# Altium PCB 58.13.0093_400_Rev00.PcbDoc (part 2 of 3) (continued)
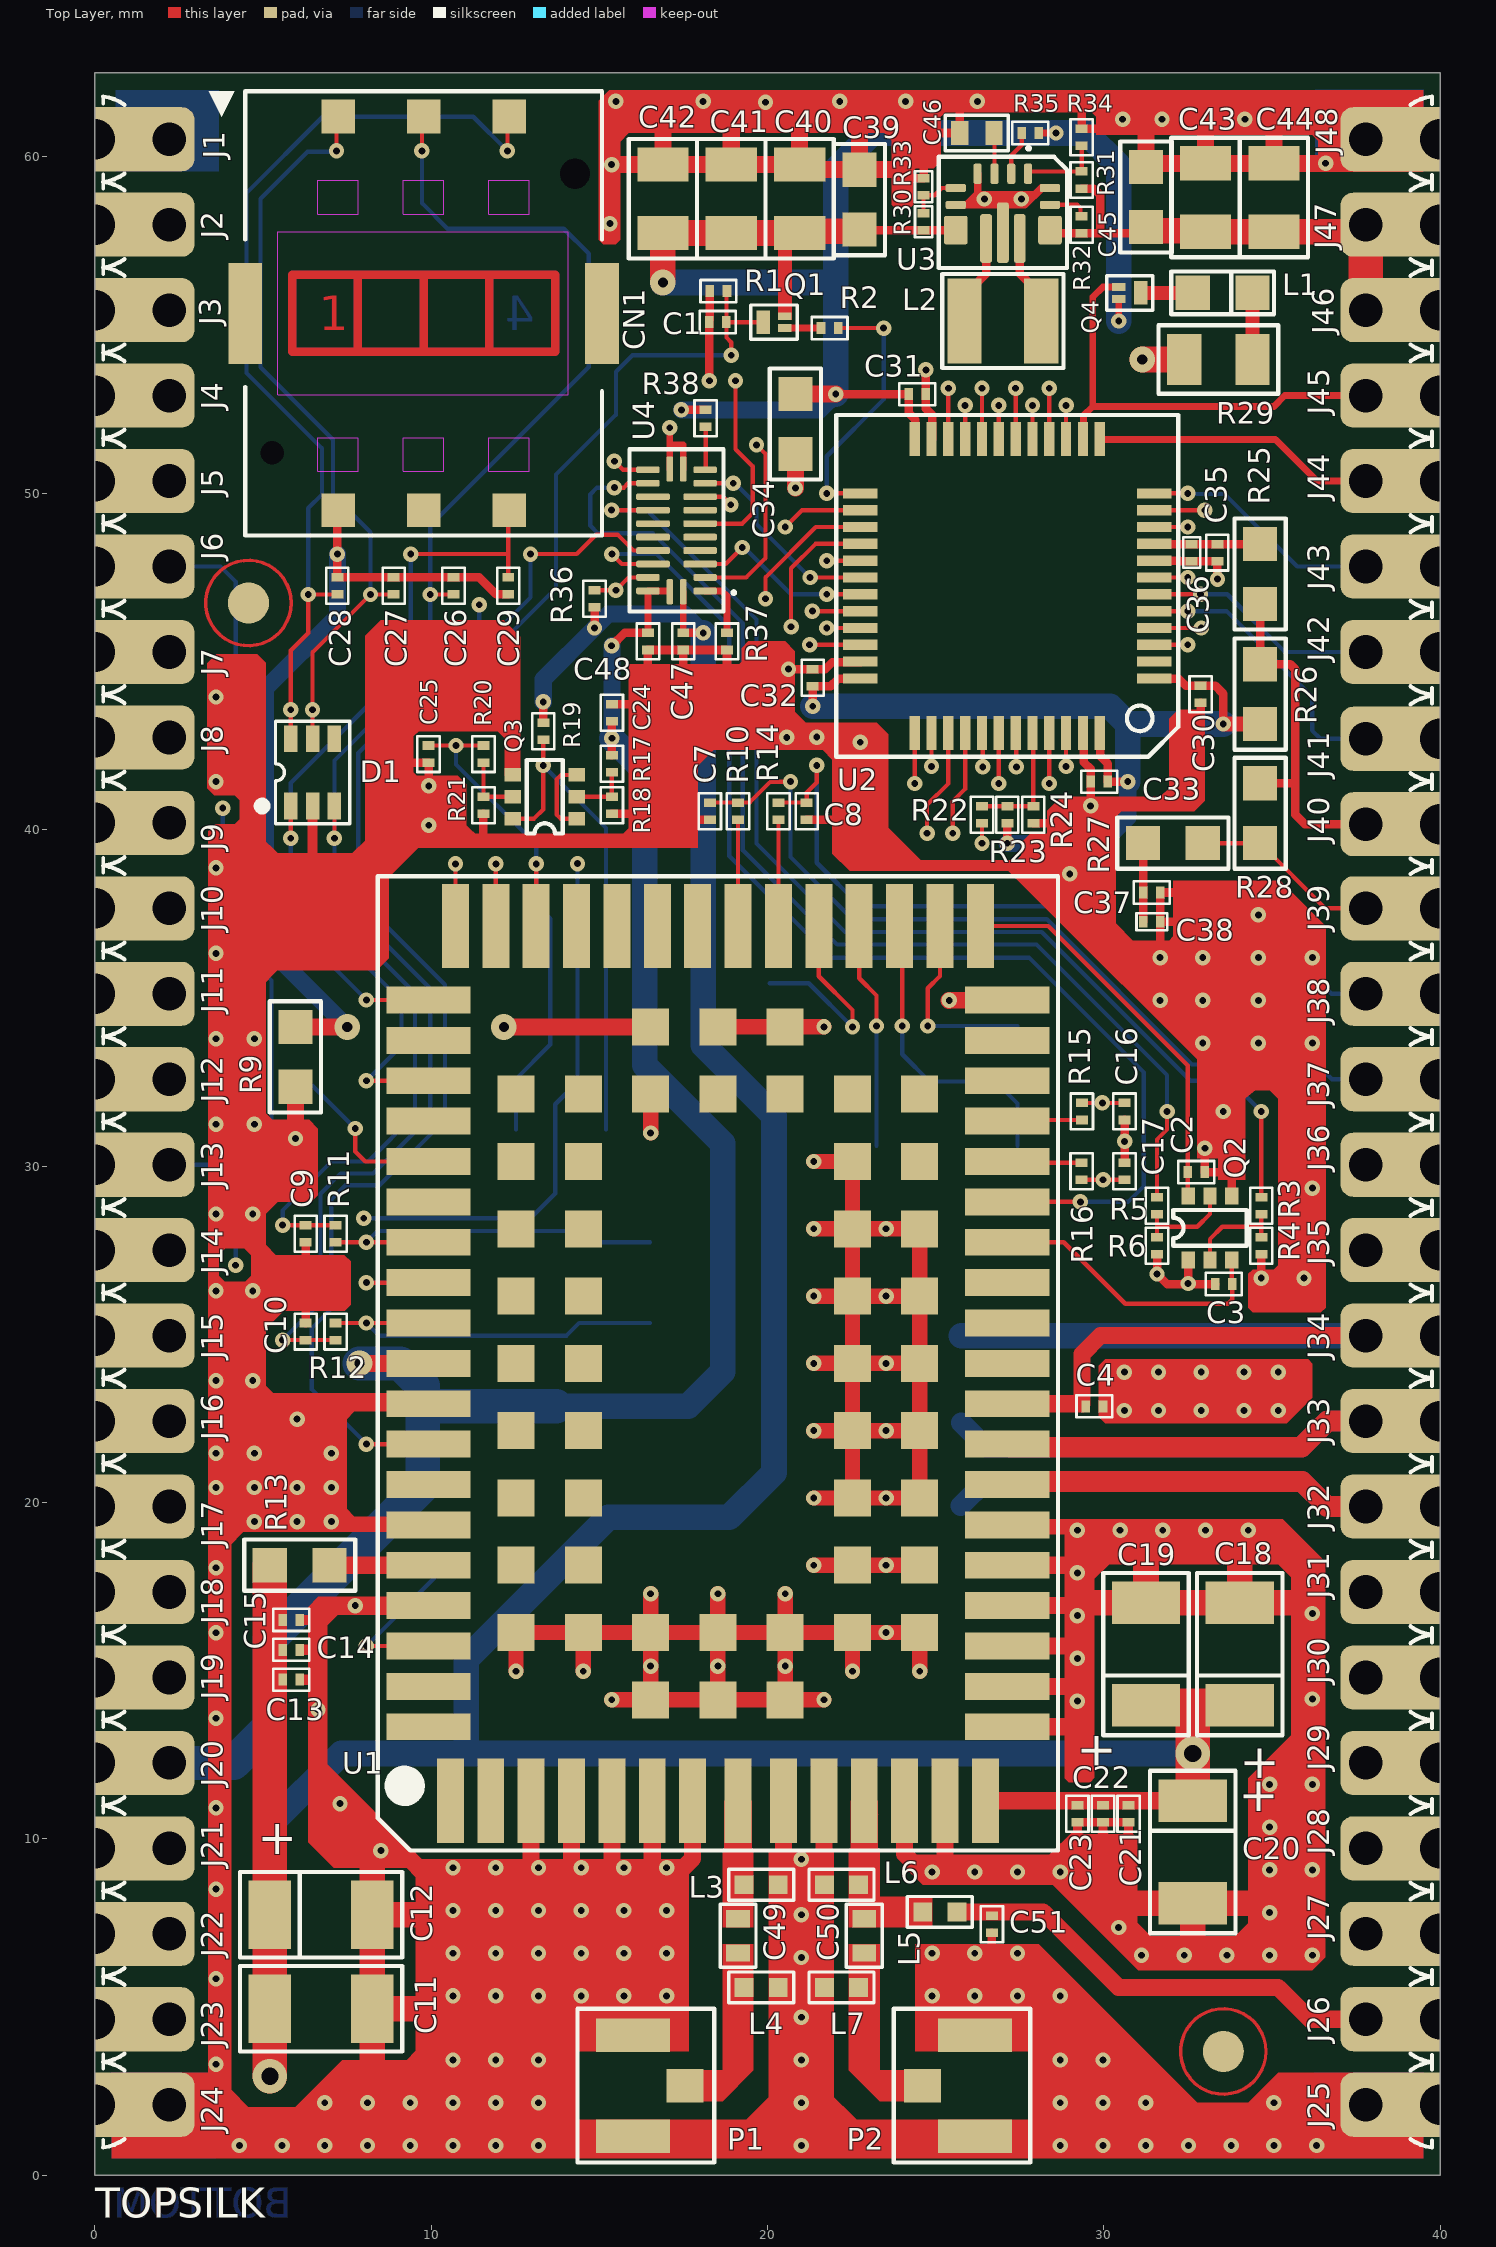
[diagram p0: Top Layer view]
## Nets (pads, with @x,y where several pads share a name; then routed paths per layer and width w, separated by ;. In a path a pad name is that pad's centre, name@x,y a point inside that pad or via, vN(x,y) a via of type N, cw(c..) or ccw(c..) an arc to the next point about the centre after c; other vN are vias at no path point) (continued)
  Top Layer w0.127: U1.29@21.525,37.135 21.525,35.641 22.525,34.641 v1(22.525,34.135)
  Bottom Layer w0.127: TP_TXD_1.1@20.066,35.433 21.227,35.433 v1(22.525,34.135)
nOE_LVL_CONV: R36.2 U2.3 U4.21 | length 21.5
  Top Layer w0.127: R36.2@14.859,47.117 v1(15.494,47.117) 15.872,47.495 U4.21@16.446,47.495 ; U2.3@31.494,45.494 v1(32.49,45.494)
  Mid-Layer 2 w0.127: v1(15.494,47.117) 19.431,47.117 20.808,48.494 27.79,48.494 30.79,45.494 v1(32.49,45.494)
ON: C1.2 Q1.3 R1.2 TP_IGT.1 U1.8 | length 46.8
  Top Layer w0.127: v1(8.077,21.735) U1.8@9.925,21.735 ; R1.2@18.796,56.007 18.779,55.99 C1.2@18.779,55.084 ; v1(18.923,54.102) 18.923,54.483 18.779,54.627 C1.2@18.779,55.084 ; Q1.3@19.868,55.085 C1.2@18.779,55.084
  Bottom Layer w0.127: v1(8.077,21.735) 6.826,22.987 6.457,23.356 6.457,25.183 7.036,25.761 7.036,29.009 7.454,29.427 8.47,29.427 10.414,31.371 10.414,35.387 8.691,37.11 8.691,42.153 13.716,47.178 13.716,50.555 TP_IGT.1@15.469,52.307 ; TP_IGT.1@15.494,52.324 15.494,53.61 15.986,54.102 v1(18.923,54.102)
ON_SIGNAL: R2.1 U2.25 | length 8
  Top Layer w0.127: v1(21.76,49.994) U2.25@22.756,49.994 ; R2.1@22.098,54.907 v1(23.452,54.907)
  Bottom Layer w0.127: v1(21.76,49.994) 21.76,51.097 23.452,52.789 v1(23.452,54.907)
POWER_IND: Q3.6 R19.1 TP_PWR_IND.1 U2.19 | length 39.8
  Top Layer w0.127: Q3.6@12.429,40.326 13.06,40.326 13.335,40.601 v1(13.335,41.91) R19.1@13.335,42.672 ; U2.19@26.875,51.613 v1(26.875,52.609)
  Mid-Layer 2 w0.127: v1(13.335,41.91) 12.7,42.545 12.7,46.99 14.704,48.994 16.128,48.994 21.109,53.975 22.625,53.975 24.911,51.689 26.543,51.689 26.875,52.021 v1(26.875,52.609)
  Bottom Layer w0.127: v1(13.335,41.91) 15.197,40.048 TP_PWR_IND.1@15.197,31.09
RF_OUT: C49.2 L3.2 U1.59
RXD0: R12.1 TP_RXD0.1 U1.11 | length 11.5
  Top Layer w0.127: R12.1@7.163,25.335 v1(8.077,25.335) U1.11@9.925,25.335
  Bottom Layer w0.127: v1(8.077,25.335) 8.452,24.96 14.027,24.96 14.402,25.335 TP_RXD0.1@16.51,25.335
RXD0_1V8: C10.2 R12.2 U4.19 | length 34.1
  Top Layer w0.127: v1(5.588,24.827) C10.2@6.274,24.827 R12.2@7.163,24.827 ; v1(12.954,48.189) 14.331,48.189 14.91,48.768 15.545,48.768 16.018,48.295 U4.19@16.596,48.295
  Bottom Layer w0.127: v1(5.588,24.827) 6.712,25.951 6.712,29.179 7.312,29.779 8.283,29.779 9.977,31.473 9.977,35.278 8.266,36.989 8.266,42.214 12.954,46.903 v1(12.954,48.189)
RXD1_3V3: U2.31 U4.3 | length 5.5
  Top Layer w0.127: U4.3@17.996,47.895 18.758,47.895 v1(19.25,48.387) ; v1(21.76,46.994) U2.31@22.756,46.994
  Bottom Layer w0.127: v1(19.25,48.387) 19.309,48.387 20.702,46.994 v1(21.76,46.994)
SDA_Sensor: J7.1 U2.22 | length 32.1
  Top Layer w0.127: U2.22@25.375,51.613 v1(25.375,53.117)
  Mid-Layer 2 w0.127: J7.1@2.22,45.28 4.671,45.28 5.334,45.943 5.334,48.26 9.212,52.138 15.555,52.138 18.916,55.499 24.511,55.499 25.397,54.613 v1@25.397,53.102
SLC_Sensor: J8.1 U2.21 | length 32.6
  Top Layer w0.127: U2.21@25.875,51.613 v1(25.875,52.609)
  Mid-Layer 2 w0.127: J8.1@2.22,42.74 3.925,42.74 5.715,44.53 5.715,48.006 9.466,51.757 15.689,51.757 18.669,54.737 22.835,54.737 24.977,52.594 v1@25.897,52.594
SPI1_MISO: J4.1 U2.16 | length 31
  Top Layer w0.127: U2.16@28.375,51.613 v1(28.375,53.117)
  Mid-Layer 2 w0.127: J4.1@2.22,52.9 15.251,52.9 18.611,56.261 26.251,56.261 28.397,54.115 v1@28.397,53.102
SPI1_MOSI: J5.1 U2.17 | length 31.2
  Top Layer w0.127: U2.17@27.875,51.613 v1(27.875,52.609)
  Mid-Layer 2 w0.127: J5.1@2.22,50.36 6.799,50.36 8.958,52.519 15.431,52.519 18.796,55.884 26.095,55.884 27.897,54.082 v1@27.897,52.594
SPI1_SCK: J3.1 U2.15 | length 32.5
  Top Layer w0.127: U2.15@28.875,51.613 v1(28.875,52.609)
  Mid-Layer 2 w0.127: J3.1@2.22,55.44 3.615,55.44 5.715,53.34 15.172,53.34 18.474,56.642 26.416,56.642 28.897,54.161 v1@28.897,52.594
SPI2_MISO: J11.1 U2.27 | length 33.4
  Top Layer w0.127: v1(19.939,46.863) 19.939,47.498 21.435,48.994 U2.27@22.756,48.994
  Mid-Layer 2 w0.127: J11.1@0,35.12 J11.1@2.22,35.12 4.005,35.12 5.588,36.703 14.986,36.703 16.637,38.354 16.637,46.152 17.348,46.863 v1(19.939,46.863)
SPI2_MOSI: J12.1 U2.28 | length 35.3
  Top Layer w0.127: v1(20.701,46.032) 20.701,47.77 21.425,48.494 U2.28@22.756,48.494
  Mid-Layer 2 w0.127: J12.1@0,32.58 J12.1@2.22,32.58 4.64,32.58 8.382,36.322 15.172,36.322 17.018,38.168 17.018,45.974 17.538,46.494 18.657,46.494 19.119,46.032 v1(20.701,46.032)
SPI2_SCK: J10.1 U2.26 | length 34.1
  Top Layer w0.127: v1(20.525,48.994) 21.025,49.494 U2.26@22.756,49.494
  Mid-Layer 2 w0.127: J10.1@0,37.66 J10.1@2.22,37.66 5.012,37.66 5.588,37.084 13.767,37.084 14.986,38.303 14.986,40.052 14.224,40.814 14.224,46.685 15.164,47.625 17.399,47.625 18.768,48.994 v1(20.525,48.994)
STATUS_1V8: U1.39 U4.20 | length 35.2
  Top Layer w0.127: v1(15.375,48.189) 15.669,47.895 U4.20@16.596,47.895 ; U1.39@27.125,28.935 v1(29.301,28.935)
  Bottom Layer w0.127: v1(15.375,48.189) 16.704,48.189 18.865,46.029 18.865,39.214 21.883,36.195 27.771,36.195 31.186,32.78 31.186,29.403 30.718,28.935 v1(29.301,28.935)
STATUS_3V3: U2.18 U4.2 | length 18.4
  Top Layer w0.127: U4.2@18.146,47.495 19.365,47.495 19.939,48.069 19.939,51.168 v1(19.672,51.435) ; U2.18@27.375,51.613 v1(27.375,53.117)
  Mid-Layer 2 w0.127: v1(19.672,51.435) 19.672,52.057 21.234,53.619 22.454,53.619 24.765,51.308 26.861,51.308 27.375,51.822 v1(27.375,53.117)
TXD0: R11.1 TP_TXD0.1 U1.13 | length 11.5
  Top Layer w0.127: R11.1@7.163,27.735 v1(8.077,27.735) U1.13@9.925,27.735
  Bottom Layer w0.127: v1(8.077,27.735) 8.409,28.067 14.07,28.067 14.402,27.735 TP_TXD0.1@16.51,27.735
TXD0_1V8: C9.2 R11.2 U4.13 | length 32.1
  Top Layer w0.127: v1(5.588,28.243) C9.2@6.274,28.243 R11.2@7.163,28.243 ; v1(15.45,50.949) 15.704,50.695 U4.13@16.446,50.695
  Mid-Layer 2 w0.127: v1(11.43,46.685) 11.43,48.006 14.373,50.949 v1(15.45,50.949)
  Bottom Layer w0.127: v1(5.588,28.243) 5.588,28.679 7.044,30.135 8.132,30.135 9.525,31.528 9.525,35.137 7.836,36.826 7.836,42.276 11.43,45.87 v1(11.43,46.685)
TXD1_3V3: U2.30 U4.9 | length 6.1
  Top Layer w0.127: U4.9@18.146,50.295 v1(18.98,50.295) ; v1(21.267,47.494) U2.30@22.756,47.494
  Bottom Layer w0.127: v1(18.98,50.295) 19.034,50.295 19.672,49.657 19.672,49.088 v1(21.267,47.494)
USART2_RX: J44.1 U2.13 | length 8.4
  Top Layer w0.203: U2.13@29.897,51.597 35.093,51.597 36.33,50.36 J44.1@37.78,50.36
USART2_TX: J43.1 U2.12 | length 7.2
  Top Layer w0.127: U2.12@31.494,49.994 v1(32.49,49.994)
  Bottom Layer w0.127: v1@32.512,49.979 33.587,49.979 35.746,47.82 J43.1@37.78,47.82
USB_D_N: J32.1 TP_USB_DN.1 U1.46 | length 23.6
  Top Layer w0.615: U1.46@27.125,20.535 27.214,20.625 35.89,20.625 36.635,19.88 J32.1@37.78,19.88
  Bottom Layer w0.615: TP_USB_DN.1@25.742,19.9 26.467,20.625 32.935,20.625 35.89,20.625 36.635,19.88 J32.1@37.78,19.88
USB_D_P: J33.1 TP_USB_DP.1 U1.45 | length 23.7
  Top Layer w0.615: U1.45@27.125,21.735 27.214,21.646 33.528,21.646 35.87,21.646 36.644,22.42 J33.1@37.78,22.42
  Bottom Layer w0.615: TP_USB_DP.1@25.763,22.37 26.487,21.646 32.381,21.646 35.861,21.646 36.636,22.42 J33.1@37.78,22.42
V_GNSS: C51.2 J26.1 L5.1 | length 13.5
  Top Layer w0.508: L5.1@25.628,7.831 28.194,7.831 30.437,5.588 35.179,5.588 36.127,4.64 J26.1@37.78,4.64
VCORE: C25.2 R20.1 TP_VCORE.1 U1.22 | length 16.5
  Top Layer w0.127: C25.2@9.925,42.5 v1(10.741,42.5) R20.1@11.557,42.5 ; U1.22@13.125,37.135 v1(13.125,38.983)
  Bottom Layer w0.127: v1(10.741,42.5) 10.741,41.937 13.125,39.553 v1(13.125,38.983) 13.125,37.769 13.544,37.35 13.544,33.61 12.525,32.591 TP_VCORE.1@12.525,31.09
VDDA: C35.2 C36.2 R25.2 U2.9 | length 3.1
  Top Layer w0.254: U2.9@31.515,48.479 31.515,48.489 C36.2@32.608,48.489 C35.2@33.37,48.489 33.37,48.486 R25.2@34.64,48.486
VIN: C43.2 C44.2 C45.2 J46.1 J47.1 R31.1 R32.1 U3.12 U3.13 | length 13.9
  Top Layer w0.254: U3.13@28.396,57.82 28.493,57.723 R32.1@29.337,57.723 29.897,57.723 ; R31.1@29.337,59.055 29.695,59.055 29.897,58.854 29.897,57.723 ; C45.2@31.25,57.838 31.135,57.723 29.897,57.723
  Top Layer w0.762: C45.2@31.25,57.838 31.282,57.805 32.988,57.805 C43.2@33.02,57.773 C44.2@35.052,57.773 37.573,57.773 J47.1@37.78,57.98
  Top Layer w1.016: J46.1@37.78,55.44 J47.1@37.78,57.98
VREF+: C37.2 C38.2 R27.2 | length 2.3
  Top Layer w0.254: C38.2@31.171,37.262 C37.2@31.171,38.131 R27.2@31.171,39.599
VUSB: C4.1 J34.1 TP_VUSB.1 U1.44 | length 24.4
  Top Layer w0.508: U1.44@27.125,22.935 29.345,22.935 29.345,24.409 29.896,24.96 J34.1@37.78,24.96
  Bottom Layer w0.762: TP_VUSB.1@25.763,24.96 J34.1@37.78,24.96
pads on no net: ?.0 ?.1 CN1.0 CN1.C6 CN1.FIX1 CN1.FIX2 D1.4 U1.1 U1.2 U1.7 U1.14 U1.16 U1.18 U1.23 U1.24 U1.25 U1.26 U1.35 U1.36 U1.41 U1.42 U1.43 U1.65 U1.66 U1.67 U1.68 U1.69 U1.70 U1.71 U1.72 U1.73 U1.74 U1.75 U1.76 U1.77 U1.78 U1.79 U1.80 U1.87 U1.91 U1.106 U1.246 U1.247 U1.248 U1.249 U2.2 U3.0 U3.1@26.496,57.182 U3.1@26.496,57.957 U3.1@26.996,58.205 U3.1@27.496,57.182 U3.1@27.496,57.957 U4. U4.4 U4.5 U4.7 U4.15 U4.17 U4.18
copper on no net: | length 1505.1
  Top Layer w0.127: -0.058,-5.065 16.904,-5.065 ; -0.058,-3.414 16.904,-3.414 ; 8.423,-6.716 8.423,-1.763 ; 138.08,-102.405 316.08,-102.405 ; 138.08,-96.405 316.08,-96.405 ; 138.08,-90.405 316.08,-90.405 ; 138.08,-84.405 316.08,-84.405 ; -0.058,-6.716 -0.058,-1.763 16.904,-1.763 16.904,-6.716 -0.058,-6.716
  Top Layer w0.254: 7.823,54.204 7.823,56.49 ; 9.779,54.204 9.779,56.49 ; 11.735,54.204 11.735,56.49 ; 138.08,-84.405 138.08,-106.405 316.08,-106.405 316.08,-84.405 ; 174.08,-106.405 174.08,-84.405 ; 186.08,-106.405 186.08,-84.405 ; 212.08,-106.405 212.08,-84.405 ; 238.08,-106.405 238.08,-84.405 ; 264.08,-106.405 264.08,-84.405 ; 290.08,-106.405 290.08,-84.405 ; 5.867,54.204 5.867,56.49 13.691,56.49 13.691,54.204 5.867,54.204
  Mid-Layer 1 w0.127: -0.058,-5.075 16.904,-5.075 ; -0.058,-3.424 16.904,-3.424 ; 8.423,-6.726 8.423,-1.773 ; -0.058,-6.726 -0.058,-1.773 16.904,-1.773 16.904,-6.726 -0.058,-6.726
  Mid-Layer 1 w0.254: 7.823,54.204 7.823,56.49 ; 9.779,54.204 9.779,56.49 ; 11.735,54.204 11.735,56.49 ; 5.867,54.204 5.867,56.49 13.691,56.49 13.691,54.204 5.867,54.204
  Mid-Layer 2 w0.127: -0.048,-5.085 16.914,-5.085 ; -0.048,-3.434 16.914,-3.434 ; 8.433,-6.736 8.433,-1.783 ; -0.048,-6.736 -0.048,-1.783 16.914,-1.783 16.914,-6.736 -0.048,-6.736
  Mid-Layer 2 w0.254: 7.823,54.204 7.823,56.49 ; 9.779,54.204 9.779,56.49 ; 11.735,54.204 11.735,56.49 ; 5.867,54.204 5.867,56.49 13.691,56.49 13.691,54.204 5.867,54.204
  Bottom Layer w0.127: -0.058,-5.065 16.904,-5.065 ; -0.058,-3.414 16.904,-3.414 ; 8.423,-6.716 8.423,-1.763 ; -0.058,-6.716 -0.058,-1.763 16.904,-1.763 16.904,-6.716 -0.058,-6.716
  Bottom Layer w0.254: 7.823,54.204 5.867,54.204 5.867,56.49 7.823,56.49 ; 7.823,54.204 9.779,54.204 ; 7.823,54.204 7.823,56.49 ; 7.823,56.49 9.779,56.49 ; 9.779,54.204 11.735,54.204 ; 9.779,54.204 9.779,56.49 ; 9.779,56.49 11.735,56.49 ; 11.735,54.204 13.691,54.204 13.691,56.49 11.735,56.49 ; 11.735,54.204 11.735,56.49

## Polygon pours and split planes (outlines as drawn)
GND on Mid-Layer 1 "Mid-Layer 1-GND" (solid, pour order 0): 3.429,3.048 3.429,0.508 36.576,0.508 36.576,3.048 36.576,61.976 3.429,61.976
GND on Bottom Layer "Mid-Layer 1-GND" (solid, remove dead copper, pour order 2): 3.429,3.048 3.429,0.508 36.576,0.508 36.576,3.048 36.576,61.976 3.429,61.976

## Other copper
Top Layer:
  rectangle: 8.423,-3.414 16.904,-1.763
  region net GND: 6.65,17.191 10.4,17.191 10.4,16.665 7.226,16.665 6.899,16.339 6.657,16.339 6.657,16.82
  region net GND: 31.877,3.048 31.877,0.508 39.497,0.508 39.497,3.048 35.179,3.048 34.29,2.159 32.766,2.159
  region net GND: 3.683,26.67 3.683,27.364 3.878,27.559 4.445,27.559 5.588,26.416 7.607,26.416 7.607,27.165 7.417,27.356 5.385,27.356 5.08,27.661 5.08,28.579 5.436,28.935 6.435,28.935 6.639,29.139 6.639,31.105 6.375,31.369 5.283,31.369 5.08,31.572 5.08,44.958 4.826,45.212 3.615,45.212 3.353,44.95 3.353,41.224 3.556,41.021 4.166,41.021 4.318,40.869 4.318,40.31 4.166,40.157 3.581,40.157 3.378,39.954 3.378,26.67
  region net GND: 3.378,26.797 3.632,26.797 3.861,26.568 4.47,26.568 4.648,26.746 4.648,27.514 5.633,26.529 7.607,26.529 7.607,25.88 7.432,25.705 5.624,25.705 5.08,25.161 5.08,23.466 5.572,22.974 3.378,22.974
  region net GND: 12.192,41.604 12.192,42.72 11.986,42.926 9.627,42.926 9.474,42.774 9.474,41.704 9.575,41.604 10.797,41.604 11.049,41.351 11.049,40.132 11.43,39.751 9.915,39.751 8.044,37.88 8.044,45.763 8.509,46.228 12.161,46.228 12.649,45.74 12.649,41.604
  region net GND: 8.738,36.17 8.382,35.814 5.431,35.814 4.923,35.306 4.924,39.806 5.436,39.294 7.662,39.294 8.073,39.704 8.738,39.206
  region net GND: 28.396,39.878 27.813,39.878 27.546,39.611 27.546,39.243 27.394,39.091 24.549,39.091 23.584,40.056 23.584,42.094 23.584,42.837 23.241,43.18 21.135,43.18 20.813,43.501 20.813,45.304 20.525,45.593 19.431,45.593 19.231,45.393 19.231,44.994 19.154,44.917 15.875,44.917 15.875,40.036 15.717,39.878 9.077,39.878 9.554,39.455 17.925,39.455 17.925,41.9 18.398,42.373 21.636,42.373 21.928,42.081 21.928,39.287 22.437,38.777 27.161,38.777 28.321,37.617
  region net GND: 34.193,29.591 33.401,29.591 33.401,30.226 32.766,30.226 32.766,33.172 28.321,37.617 28.321,40.564 28.732,40.976 31.679,40.976 31.939,41.235 31.939,43.293 32.207,43.561 32.852,43.561 33.001,43.413 33.001,40.861 32.684,40.544 30.511,40.544 30.353,40.386 30.353,37.211 30.861,36.703 31.939,36.703 32.066,36.83 32.066,38.481 35.241,38.481 36.589,37.132 36.589,25.794 36.449,25.654 34.417,25.654 34.29,25.781 34.29,26.797 34.417,26.924 35.052,26.924 35.179,27.051 35.179,32.004 34.925,32.258 34.499,32.258 34.193,32.017
  region net 3V3: 20.32,55.148 20.719,55.148 20.719,57.734 20.32,57.734 20.32,56.129
  region net GND: 39.497,61.976 39.497,59.563 39.497,61.976 15.291,61.976 14.986,61.671 14.986,57.531 15.113,57.404 15.494,57.404 15.621,57.531 15.621,60.452 15.875,60.706 23.47,60.706 23.698,60.477 23.698,58.572 23.774,58.496 24.257,58.496 24.333,58.572 24.333,59.588 24.409,59.665 24.943,59.665 25.146,59.868 25.146,61.189 25.273,61.316 29.642,61.316 29.769,61.189 29.769,60.658 36.192,60.658 36.373,60.477 36.373,59.551 39.497,59.551
  region net GND: 26.182,58.981 26.31,58.981 28.082,58.981 27.572,58.471 25.672,58.471
  region net GND: 29.845,22.547 30.04,22.352 35.433,22.352 36.195,23.114 36.195,24.13 36.068,24.257 30.043,24.257 29.845,24.059
  region net GND: 3.378,18.72 3.378,23.241 9.925,23.241 9.925,22.708 7.722,22.708 7.493,22.479 7.493,19.812 7.722,19.583 9.925,19.583 9.925,19.126 4.42,19.126 4.013,18.72
  region net GND: 24.13,9.525 28.38,9.525 29.083,10.228 29.083,10.49 29.345,10.49 29.345,10.186 29.397,10.135 29.794,10.135 29.845,10.185 29.845,10.49 30.099,10.49 30.099,10.185 30.15,10.135 30.556,10.135 30.607,10.185 30.607,10.49 30.861,10.49 30.861,10.16 30.988,10.033 30.988,7.513 31.389,7.112 33.909,7.112 34.29,7.493 34.29,11.811 35.56,13.081 35.56,17.78 35.179,18.161 30.151,18.161 29.718,17.728 29.718,11.812 29.59,11.684 28.956,11.684 28.829,11.811 28.829,19.05 27.125,19.05 27.125,19.499 35.314,19.499 36.576,18.237 36.576,6.477 36.195,6.096 31.022,6.096 28.482,8.636 24.61,8.636 24.13,9.116
  region net GND: 4.064,18.898 4.064,2.54 4.572,2.032 5.969,2.032 7.366,3.429 9.271,3.429 9.55,3.708 9.55,8.865 9.271,9.144 7.112,9.144 6.35,9.906 6.35,16.891 6.65,17.191 6.907,17.191 6.907,12.219 9.728,9.398 9.931,9.398 17.653,9.398 17.653,3.683 14.351,3.683 14.351,1.651 19.363,1.651 20.184,2.472 21.827,2.472 22.649,1.651 27.813,1.651 27.813,3.683 24.384,3.683 24.384,6.612 24.384,6.866 28.059,6.866 31.877,3.048 31.877,0.508 0.508,0.508 0.508,3.048 3.378,3.048 3.378,18.898
  region net GND: 21.971,9.652 20.041,9.652 20.041,0.508 21.971,0.508
  region net GNSS_ANT: 24.897,8.288 22.875,8.288 22.875,7.374 24.897,7.374
  region net NetC50_1: 22.418,3.124 23.332,3.124 23.332,2.21
  region net NetC49_1: 18.668,3.124 18.668,2.21 19.582,3.124
  region net NetC50_1: 23.332,2.21 24.612,2.21 24.612,3.124 23.332,3.124
  region net NetC49_1: 18.668,3.124 17.552,3.124 17.552,2.21 18.668,2.21
  region net NetC49_1: 18.668,6.866 18.668,3.124 19.582,3.124 19.582,6.866
  region net NetC50_1: 22.418,6.866 22.418,3.124 23.332,3.124 23.332,6.866
  region net RF_OUT: 18.668,7.374 19.582,7.374 19.582,9.691 19.528,9.745 19.528,11.139 18.722,11.139 18.722,9.745 18.668,9.691
  region net GNSS_ANT: 22.418,7.374 23.332,7.374 23.332,9.687 23.278,9.741 23.278,11.135 22.472,11.135 22.472,9.741 22.418,9.687
  text "1" at 6.655,54.839 h1.02
  text "TOP" at 0.013,-1.255 h0.89
  text "CONDUTOR" at 9.462,-4.659 h0.89
  text "CONDUCTOR" at 8.909,-6.373 h0.89
  text "EMISSAO INICIAL / FIRST ISSUE" at 142.352,-100.039 h1.3
  text "00" at 179.102,-100.039 h1.3
  text "D. Aguiar" at 213.152,-100.039 h1.3
  text "E. Rodrigues" at 239.152,-100.039 h1.3
  text "E. Rodrigues" at 265.152,-100.039 h1.3
  text "L. Degenhardt" at 291.152,-100.039 h1.3
  text "HISTORICO DA REVISAO / REVISION HISTORY" at 139.012,-105.139 h1.12
  text "REV." at 178.402,-105.139 h1.3
  text "DATA / DATE" at 193.152,-105.139 h1.3
  text "ELABORADO / ELABORATED" at 212.752,-105.139 h1.3
  text "VERIFICADO / CHECKED" at 240.652,-105.139 h1.3
  text "APROVADO / APPROVED" at 266.152,-105.139 h1.3
  text "QUALIDADE / QUALITY" at 293.252,-105.139 h1.3
  text "011" at 194.832,-138.244 h2.6
  text "00" at 210.532,-138.244 h2.6
  text "58.13.0093_011_Rev00" at 222.032,-138.244 h2.6
  text "1:1" at 276.782,-138.244 h2.6
  text "01/04" at 302.877,-138.244 h2.6
  text "A3" at 291.282,-138.299 h2.6
Mid-Layer 1:
  rectangle: 8.423,-3.424 16.904,-1.773
  pour cut-out: 9.779,56.49 13.691,56.49 13.691,54.204 9.779,54.204
  pour cut-out: 5.867,56.49 7.823,56.49 7.823,54.204 5.867,54.204
  region net GND: 3.683,61.976 3.683,59.563 0.635,59.563 0.635,61.976
  region net GND: 39.5,61.989 39.5,59.55 36.274,59.55 36.274,61.989
  region net GND: 36.246,3.048 36.246,0.508 39.497,0.508 39.497,3.048
  region net GND: 0.507,0.508 3.581,0.508 3.581,3.048 0.457,3.048 0.457,2.845
  text "2" at 8.433,54.839 h1.02
  text "INT1" at 0.011,-1.256 h0.89
  text "CONDUTOR" at 9.462,-4.669 h0.89
  text "CONDUCTOR" at 8.909,-6.383 h0.89
  text "011" at 194.832,-138.244 h2.6
  text "00" at 210.532,-138.244 h2.6
  text "58.13.0093_011_Rev00" at 222.032,-138.244 h2.6
  text "1:1" at 276.782,-138.244 h2.6
  text "02/04" at 302.877,-138.244 h2.6
  text "A3" at 291.282,-138.299 h2.6
Mid-Layer 2:
  rectangle: 8.433,-3.438 16.914,-1.783
  text "3" at 11.125,54.839 h1.02
  text "INT2" at 5.865,-1.275 h0.89
  text "CONDUTOR" at 16.036,-4.679 h0.89
  text "CONDUCTOR" at 16.368,-6.393 h0.89
  text "011" at 194.832,-138.244 h2.6
  text "00" at 210.532,-138.244 h2.6
  text "58.13.0093_011_Rev00" at 222.032,-138.244 h2.6
  text "1:1" at 276.782,-138.244 h2.6
  text "03/04" at 302.877,-138.244 h2.6
  text "A3" at 291.282,-138.299 h2.6
Bottom Layer:
  rectangle: 8.423,-3.418 16.904,-1.763
  region net GND: 39.5,61.989 39.5,59.55 36.274,59.55 36.274,61.989
  region net GND: 3.683,61.976 3.683,59.563 0.635,59.563 0.635,61.976
  region net GND: 0.507,0.508 3.581,0.508 3.581,3.048 0.457,3.048 0.457,2.845
  region net GND: 36.246,3.048 36.246,0.508 39.497,0.508 39.497,3.048
  text "4" at 13.081,54.839 h1.02
  text "BOTTOM" at 5.855,-1.255 h0.89
  text "CONDUTOR" at 16.026,-4.659 h0.89
  text "CONDUCTOR" at 16.358,-6.373 h0.89
  text "011" at 194.832,-138.244 h2.6
  text "00" at 210.532,-138.244 h2.6
  text "58.13.0093_011_Rev00" at 222.032,-138.244 h2.6
  text "1:1" at 276.782,-138.244 h2.6
  text "04/04" at 302.877,-138.244 h2.6
  text "A3" at 291.282,-138.299 h2.6

## Silkscreen, mask and mechanical layers (free items; w line width, h text height)
Top Overlay, Top Silk:
  lines w0.127: 138.08,-102.405 316.08,-102.405 ; 138.08,-96.405 316.08,-96.405 ; 138.08,-90.405 316.08,-90.405 ; 138.08,-84.405 316.08,-84.405
  lines w0.254: 138.08,-84.405 138.08,-106.405 316.08,-106.405 316.08,-84.405 ; 174.08,-106.405 174.08,-84.405 ; 186.08,-106.405 186.08,-84.405 ; 212.08,-106.405 212.08,-84.405 ; 238.08,-106.405 238.08,-84.405 ; 264.08,-106.405 264.08,-84.405 ; 290.08,-106.405 290.08,-84.405
  text "TOPSILK" at 0.013,-1.255 h0.89
  text "EMISSAO INICIAL / FIRST ISSUE" at 142.352,-100.039 h1.3
  text "00" at 179.102,-100.039 h1.3
  text "D. Aguiar" at 213.152,-100.039 h1.3
  text "E. Rodrigues" at 239.152,-100.039 h1.3
  text "E. Rodrigues" at 265.152,-100.039 h1.3
  text "L. Degenhardt" at 291.152,-100.039 h1.3
  text "HISTORICO DA REVISAO / REVISION HISTORY" at 139.012,-105.139 h1.12
  text "REV." at 178.402,-105.139 h1.3
  text "DATA / DATE" at 193.152,-105.139 h1.3
  text "ELABORADO / ELABORATED" at 212.752,-105.139 h1.3
  text "VERIFICADO / CHECKED" at 240.652,-105.139 h1.3
  text "APROVADO / APPROVED" at 266.152,-105.139 h1.3
  text "QUALIDADE / QUALITY" at 293.252,-105.139 h1.3
  text "040" at 194.832,-138.244 h2.6
  text "00" at 210.532,-138.244 h2.6
  text "58.13.0093_040_Rev00" at 222.032,-138.244 h2.6
  text "1:1" at 276.782,-138.244 h2.6
  text "01/02" at 302.877,-138.244 h2.6
  text "A3" at 291.282,-138.299 h2.6
Bottom Overlay, Bot Silk:
  lines w0.203: 4.453,53.93 6.453,52.33 8.453,53.93 ; 4.453,57.987 6.453,59.687 8.453,57.987
  text "(    )" at 10.205,61.528 h2.8 r270
  text "PCI PROCESSAMENTO E CONTROLE IOT" at 31.623,11.938 h1.02
  text "58.13.0093" at 31.699,10.058 h1.27
  text "BOTSILK" at 4.624,-1.255 h0.89
  text "040" at 194.832,-138.244 h2.6
  text "00" at 210.532,-138.244 h2.6
  text "58.13.0093_040_Rev00" at 222.032,-138.244 h2.6
  text "1:1" at 276.782,-138.244 h2.6
  text "02/02" at 302.877,-138.244 h2.6
  text "A3" at 291.282,-138.299 h2.6
Top Paste, Top Paste:
  lines w0.127: 138.08,-102.405 316.08,-102.405 ; 138.08,-96.405 316.08,-96.405 ; 138.08,-90.405 316.08,-90.405 ; 138.08,-84.405 316.08,-84.405
  lines w0.254: 138.08,-84.405 138.08,-106.405 316.08,-106.405 316.08,-84.405 ; 174.08,-106.405 174.08,-84.405 ; 186.08,-106.405 186.08,-84.405 ; 212.08,-106.405 212.08,-84.405 ; 238.08,-106.405 238.08,-84.405 ; 264.08,-106.405 264.08,-84.405 ; 290.08,-106.405 290.08,-84.405
  text "TOPPASTE" at 0.021,-1.256 h0.89
  text "EMISSAO INICIAL / FIRST ISSUE" at 142.352,-100.039 h1.3
  text "00" at 179.102,-100.039 h1.3
  text "D. Aguiar" at 213.152,-100.039 h1.3
  text "E. Rodrigues" at 239.152,-100.039 h1.3
  text "E. Rodrigues" at 265.152,-100.039 h1.3
  text "L. Degenhardt" at 291.152,-100.039 h1.3
  text "HISTORICO DA REVISAO / REVISION HISTORY" at 139.012,-105.139 h1.12
  text "REV." at 178.402,-105.139 h1.3
  text "DATA / DATE" at 193.152,-105.139 h1.3
  text "ELABORADO / ELABORATED" at 212.752,-105.139 h1.3
  text "VERIFICADO / CHECKED" at 240.652,-105.139 h1.3
  text "APROVADO / APPROVED" at 266.152,-105.139 h1.3
  text "QUALIDADE / QUALITY" at 293.252,-105.139 h1.3
  text "235" at 194.832,-138.244 h2.6
  text "00" at 210.532,-138.244 h2.6
  text "58.13.0093_235_Rev00" at 222.032,-138.244 h2.6
  text "1:1" at 276.782,-138.244 h2.6
  text "01/01" at 302.877,-138.244 h2.6
  text "A3" at 291.282,-138.299 h2.6
Top Solder, Top Mask:
  rectangle: -0.058,-3.414 8.423,-1.763
  lines w0.127: -0.058,-5.065 16.904,-5.065 ; -0.058,-3.418 16.904,-3.418 ; 8.423,-6.716 8.423,-1.763 ; 138.08,-102.405 316.08,-102.405 ; 138.08,-96.405 316.08,-96.405 ; 138.08,-90.405 316.08,-90.405 ; 138.08,-84.405 316.08,-84.405 ; -0.058,-6.716 16.904,-6.716 16.904,-1.763 -0.058,-1.763 -0.058,-6.716
  lines w0.254: 138.08,-84.405 138.08,-106.405 316.08,-106.405 316.08,-84.405 ; 174.08,-106.405 174.08,-84.405 ; 186.08,-106.405 186.08,-84.405 ; 212.08,-106.405 212.08,-84.405 ; 238.08,-106.405 238.08,-84.405 ; 264.08,-106.405 264.08,-84.405 ; 290.08,-106.405 290.08,-84.405
  text "TOPMASK" at 0.013,-1.255 h0.89
  text "CONDUTOR" at 9.462,-4.659 h0.89
  text "CONDUCTOR" at 8.909,-6.373 h0.89
  text "EMISSAO INICIAL / FIRST ISSUE" at 142.352,-100.039 h1.3
  text "00" at 179.102,-100.039 h1.3
  text "D. Aguiar" at 213.152,-100.039 h1.3
  text "E. Rodrigues" at 239.152,-100.039 h1.3
  text "E. Rodrigues" at 265.152,-100.039 h1.3
  text "L. Degenhardt" at 291.152,-100.039 h1.3
  text "HISTORICO DA REVISAO / REVISION HISTORY" at 139.012,-105.139 h1.12
  text "REV." at 178.402,-105.139 h1.3
  text "DATA / DATE" at 193.152,-105.139 h1.3
  text "ELABORADO / ELABORATED" at 212.752,-105.139 h1.3
  text "VERIFICADO / CHECKED" at 240.652,-105.139 h1.3
  text "APROVADO / APPROVED" at 266.152,-105.139 h1.3
  text "QUALIDADE / QUALITY" at 293.252,-105.139 h1.3
  text "012" at 194.832,-138.244 h2.6
  text "00" at 210.532,-138.244 h2.6
  text "58.13.0093_012_Rev00" at 222.032,-138.244 h2.6
  text "1:1" at 276.782,-138.244 h2.6
  text "01/02" at 302.877,-138.244 h2.6
  text "A3" at 291.282,-138.299 h2.6
Bottom Solder, Bot Mask:
  rectangle: -0.058,-3.418 8.423,-1.763
  lines w0.127: -0.058,-5.065 16.904,-5.065 ; -0.058,-3.414 16.904,-3.414 ; 8.423,-6.716 8.423,-1.763 ; -0.058,-6.716 16.904,-6.716 16.904,-1.763 -0.058,-1.763 -0.058,-6.716
  text "BOTMASK" at 5.855,-1.255 h0.89
  text "CONDUTOR" at 16.026,-4.659 h0.89
  text "CONDUCTOR" at 16.358,-6.373 h0.89
  text "012" at 194.832,-138.244 h2.6
  text "00" at 210.532,-138.244 h2.6
  text "58.13.0093_012_Rev00" at 222.032,-138.244 h2.6
  text "1:1" at 276.782,-138.244 h2.6
  text "02/02" at 302.877,-138.244 h2.6
  text "A3" at 291.282,-138.299 h2.6
Board:
  the board outline again, w0.127
Folha:
  drawing of 200 lines, arcs and shapes, not listed
  text "DOCUMENTO DE ENGENHARIA DE PRODUTO / PRODUCT ENGINEERING DOCUMENT" at 191.752,-111.699 h2.2
  text "CODIGO / PN" at 190.952,-116.939 h1.4
  text "DESCRICAO / DESCRIPTION" at 220.909,-116.939 h1.4
  text "PLACA CIRCUITO IMPRESSO PROCESSAMENTO E CONTROLE IOT" at 221.607,-124.079 h1.91
  text "58.13.0093" at 195.652,-124.439 h2.6
  text "DOC." at 190.952,-131.939 h1.4
  text "REV." at 205.952,-131.939 h1.4
  text "ARQUIVO / FILE" at 220.909,-131.939 h1.4
  text "ESC. / SCALE" at 271.452,-131.939 h1.4
  text "FORM. / SIZE" at 286.852,-131.939 h1.4
  text "FOLHA / PAGE" at 301.352,-131.939 h1.4
Barreira:
  lines w0.01: 0.5,0.5 0.5,61.75 0.5,62 39.5,62 39.5,1.75 39.5,0.5 0.5,0.5